# Altium PCB CHAHARDOLI-7 ADAD METAL.PcbDoc (part 6 of 10)
Units mm, origin at the board's own origin, x right, y up, seen from the top; angles counter-clockwise.
Board outline 151 x 86.38 mm, 2 copper layers (Top Layer, Bottom Layer); 1512 components, 81 nets, 3736 pads, 768 vias.
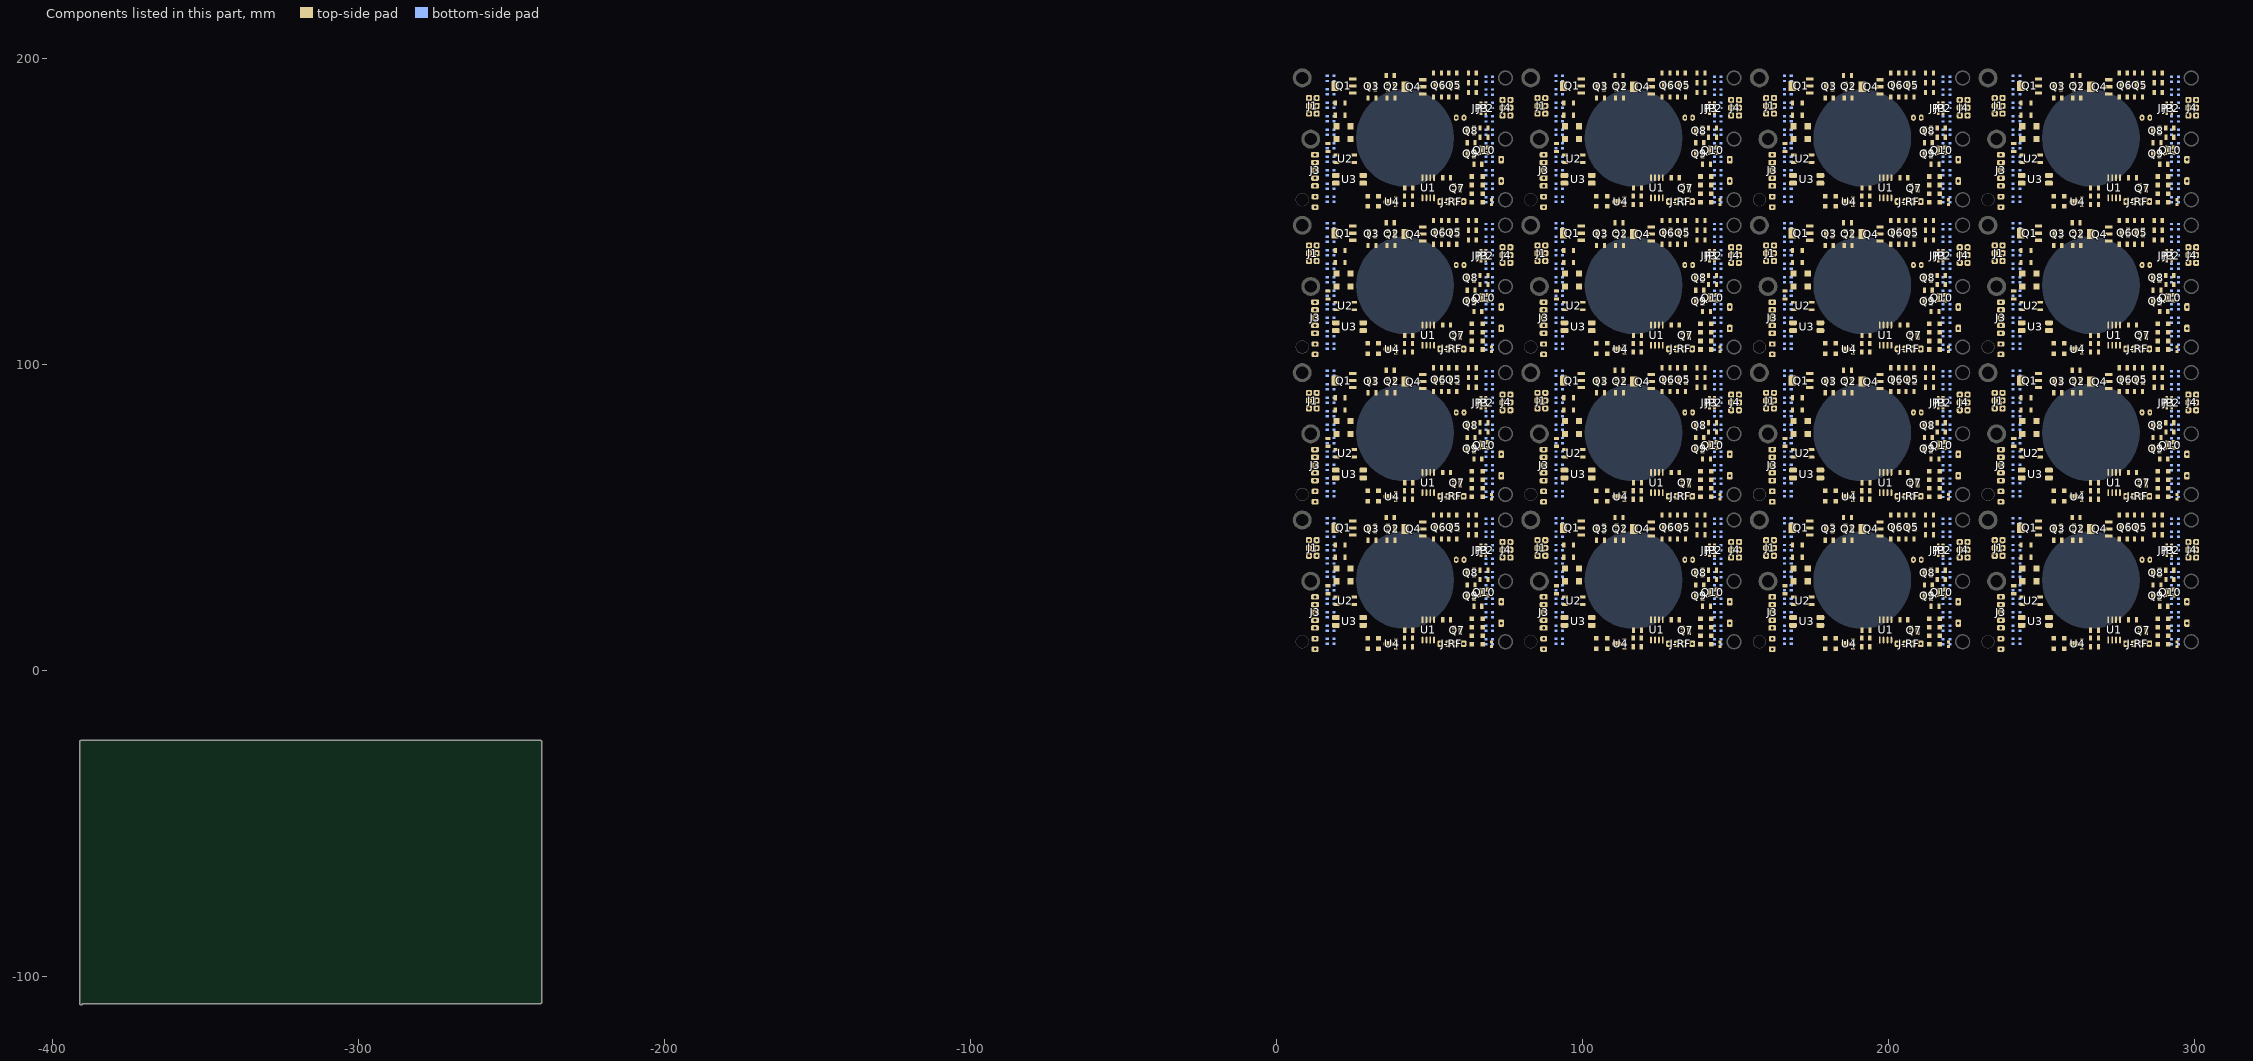
[diagram p6: the components of this part, seen from the top]

## Via types
v1: diameter 1.2, hole 0.6, Top Layer to Bottom Layer, 496 vias
v2: diameter 1, hole 0.6, Top Layer to Bottom Layer, 128 vias
v3: diameter 0.9, hole 0.6, Top Layer to Bottom Layer, 128 vias
v4: diameter 1.27, hole 0.6, Top Layer to Bottom Layer, 16 vias

## Nets (pads, with @x,y where several pads share a name; then routed paths per layer and width w, separated by ;. In a path a pad name is that pad's centre, name@x,y a point inside that pad or via, vN(x,y) a via of type N, cw(c..) or ccw(c..) an arc to the next point about the centre after c; other vN are vias at no path point) (continued)
copper on no net: (continued)
  Top Layer w0.5: 288.4,117.261 288.4,119.782 ; 288.4,165.406 288.4,167.928 ; 288.475,30.96 288.4,30.885 288.4,29.71 ; 288.475,79.105 288.4,79.03 288.4,77.855 ; 288.475,127.25 288.4,127.175 288.4,126 ; 288.475,175.395 288.4,175.32 288.4,174.145 ; 288.6,25.51 288.6,28.248 ; 288.6,73.655 288.6,76.393 ; 288.6,121.8 288.6,124.539 ; 288.6,169.945 288.6,172.684 ; 289.295,50.71 289.495,50.51 292.6,50.51 294.2,48.91 294.2,44.51 296.446,42.264 297.506,42.264 297.86,41.91 ; 289.295,98.855 289.495,98.655 292.6,98.655 294.2,97.055 294.2,92.655 296.446,90.409 297.506,90.409 297.86,90.055 ; 289.295,147 289.495,146.8 292.6,146.8 294.2,145.2 294.2,140.8 296.446,138.554 297.506,138.554 297.86,138.2 ; 289.295,195.145 289.495,194.945 292.6,194.945 294.2,193.345 294.2,188.945 296.446,186.699 297.506,186.699 297.86,186.345 ; 289.301,44.31 v1(290.6,44.31) ; 289.301,92.455 v1(290.6,92.455) ; 289.301,140.6 v1(290.6,140.6) ; 289.301,188.745 v1(290.6,188.745) ; 289.435,47.244 289.501,47.31 v1(290.6,47.31) ; 289.435,95.389 289.501,95.455 v1(290.6,95.455) ; 289.435,143.534 289.501,143.6 v1(290.6,143.6) ; 289.435,191.679 289.501,191.745 v1(290.6,191.745) ; 290.2,29.71 288.4,29.71 ; 290.2,77.855 288.4,77.855 ; 290.2,126 288.4,126 ; 290.2,174.145 288.4,174.145 ; 290.505,29.71 290.505,26.653 290.575,26.582 290.575,24.885 290.6,24.86 ; 290.505,77.855 290.505,74.798 290.575,74.727 290.575,73.03 290.6,73.005 ; 290.505,126 290.505,122.943 290.575,122.873 290.575,121.175 290.6,121.15 ; 290.505,174.145 290.505,171.088 290.575,171.018 290.575,169.32 290.6,169.295 ; 290.8,20.31 290.8,21.11 292.893,23.203 292.893,24.403 293,24.51 ; 290.8,68.455 290.8,69.255 292.893,71.348 292.893,72.548 293,72.655 ; 290.8,116.6 290.8,117.4 292.893,119.493 292.893,120.693 293,120.8 ; 290.8,164.745 290.8,165.545 292.893,167.638 292.893,168.838 293,168.945 ; 292.4,39.41 292.4,39.129 292.6,38.929 293.18,38.929 295.4,36.71 295.4,35.71 296.2,34.91 300.107,34.91 300.4,35.203 300.4,36.83 300.4,39.37 300.4,41.91 ; 292.4,87.555 292.4,87.275 292.6,87.075 293.18,87.075 295.4,84.855 295.4,83.855 296.2,83.055 300.107,83.055 300.4,83.348 300.4,84.975 300.4,87.515 300.4,90.055 ; 292.4,135.7 292.4,135.42 292.6,135.22 293.18,135.22 295.4,133 295.4,132 296.2,131.2 300.107,131.2 300.4,131.493 300.4,133.12 300.4,135.66 300.4,138.2 ; 292.4,183.845 292.4,183.565 292.6,183.365 293.18,183.365 295.4,181.145 295.4,180.145 296.2,179.345 300.107,179.345 300.4,179.638 300.4,181.265 300.4,183.805 300.4,186.345 ; 293.101,29.71 293.268,29.542 293.268,28.442 297.15,24.56 298.75,24.56 299.6,23.71 299.6,21.41 297.546,19.356 297.546,18.456 v1(297.4,18.31) ; 293.101,77.855 293.268,77.687 293.268,76.587 297.15,72.705 298.75,72.705 299.6,71.855 299.6,69.555 297.546,67.501 297.546,66.601 v1(297.4,66.455) ; 293.101,126 293.268,125.832 293.268,124.732 297.15,120.85 298.75,120.85 299.6,120 299.6,117.7 297.546,115.646 297.546,114.746 v1(297.4,114.6) ; 293.101,174.145 293.268,173.978 293.268,172.877 297.15,168.995 298.75,168.995 299.6,168.145 299.6,165.845 297.546,163.791 297.546,162.891 v1(297.4,162.745) ; 294.2,9.31 294.2,14.11 295.5,15.41 297.4,15.41 ; 294.2,57.455 294.2,62.255 295.5,63.555 297.4,63.555 ; 294.2,105.6 294.2,110.4 295.5,111.7 297.4,111.7 ; 294.2,153.745 294.2,158.545 295.5,159.845 297.4,159.845
  Top Layer w0.6: 22.336,37.156 22.336,37.235 22.561,37.46 23.049,37.46 23.936,38.346 v4(23.936,38.91) ; 22.336,85.302 22.336,85.38 22.561,85.605 23.049,85.605 23.936,86.491 v4(23.936,87.055) ; 22.336,133.447 22.336,133.525 22.561,133.75 23.049,133.75 23.936,134.636 v4(23.936,135.2) ; 22.336,181.592 22.336,181.67 22.561,181.895 23.049,181.895 23.936,182.782 v4(23.936,183.345) ; v1(32.536,49.71) 32.578,49.71 34.536,47.752 34.536,46.71 35.536,45.71 36.061,45.71 36.248,45.522 ; v1(32.536,97.855) 32.578,97.855 34.536,95.897 34.536,94.855 35.536,93.855 36.061,93.855 36.248,93.667 ; v1(32.536,146) 32.578,146 34.536,144.042 34.536,143 35.536,142 36.061,142 36.248,141.812 ; v1(32.536,194.145) 32.578,194.145 34.536,192.187 34.536,191.145 35.536,190.145 36.061,190.145 36.248,189.958 ; 33.286,7.11 33.686,6.71 39.136,6.71 39.936,5.91 41.736,5.91 ; 33.286,55.255 33.686,54.855 39.136,54.855 39.936,54.055 41.736,54.055 ; 33.286,103.4 33.686,103 39.136,103 39.936,102.2 41.736,102.2 ; 33.286,151.545 33.686,151.145 39.136,151.145 39.936,150.345 41.736,150.345 ; 41.736,10.51 41.736,7.71 41.736,5.91 ; 41.736,58.655 41.736,55.855 41.736,54.055 ; 41.736,106.8 41.736,104 41.736,102.2 ; 41.736,154.945 41.736,152.145 41.736,150.345 ; v1@46.336,17.11 46.396,17.049 47.631,17.049 47.631,16.71 ; v1@46.336,65.255 46.396,65.194 47.631,65.194 47.631,64.855 ; v1@46.336,113.4 46.396,113.339 47.631,113.339 47.631,113 ; v1@46.336,161.545 46.396,161.484 47.631,161.484 47.631,161.145 ; 51.441,9.91 51.441,9.11 51.536,9.015 51.536,8.51 51.536,5.91 ; 51.441,58.055 51.441,57.255 51.536,57.16 51.536,56.655 51.536,54.055 ; 51.441,106.2 51.441,105.4 51.536,105.305 51.536,104.8 51.536,102.2 ; 51.441,154.345 51.441,153.545 51.536,153.45 51.536,152.945 51.536,150.345 ; 61.303,36.239 61.633,35.91 68.736,35.91 70.536,34.11 70.536,28.51 73.536,25.51 75.536,25.51 76.936,24.11 76.936,20.361 76.136,19.561 v1(76.136,19.51) 76.036,19.41 76.036,15.21 78.136,13.11 78.136,7.11 76.936,5.91 70.136,5.91 ; 61.303,84.384 61.633,84.055 68.736,84.055 70.536,82.255 70.536,76.655 73.536,73.655 75.536,73.655 76.936,72.255 76.936,68.506 76.136,67.706 v1(76.136,67.655) 76.036,67.555 76.036,63.355 78.136,61.255 78.136,55.255 76.936,54.055 70.136,54.055 ; 61.303,132.53 61.633,132.2 68.736,132.2 70.536,130.4 70.536,124.8 73.536,121.8 75.536,121.8 76.936,120.4 76.936,116.651 76.136,115.851 v1(76.136,115.8) 76.036,115.7 76.036,111.5 78.136,109.4 78.136,103.4 76.936,102.2 70.136,102.2 ; 61.303,180.675 61.633,180.345 68.736,180.345 70.536,178.545 70.536,172.945 73.536,169.945 75.536,169.945 76.936,168.545 76.936,164.797 76.136,163.997 v1(76.136,163.945) 76.036,163.845 76.036,159.645 78.136,157.545 78.136,151.545 76.936,150.345 70.136,150.345 ; 70.136,7.81 70.136,5.91 ; 70.136,55.955 70.136,54.055 ; 70.136,104.1 70.136,102.2 ; 70.136,152.245 70.136,150.345 ; 97.024,37.156 97.024,37.235 97.249,37.46 97.737,37.46 98.624,38.346 v4(98.624,38.91) ; 97.024,85.302 97.024,85.38 97.249,85.605 97.737,85.605 98.624,86.491 v4(98.624,87.055) ; 97.024,133.447 97.024,133.525 97.249,133.75 97.737,133.75 98.624,134.636 v4(98.624,135.2) ; 97.024,181.592 97.024,181.67 97.249,181.895 97.737,181.895 98.624,182.782 v4(98.624,183.345) ; v1(107.224,49.71) 107.266,49.71 109.224,47.752 109.224,46.71 110.224,45.71 110.749,45.71 110.936,45.522 ; v1(107.224,97.855) 107.266,97.855 109.224,95.897 109.224,94.855 110.224,93.855 110.749,93.855 110.936,93.667 ; v1(107.224,146) 107.266,146 109.224,144.042 109.224,143 110.224,142 110.749,142 110.936,141.813 ; v1(107.224,194.145) 107.266,194.145 109.224,192.187 109.224,191.145 110.224,190.145 110.749,190.145 110.936,189.958 ; 107.974,7.11 108.374,6.71 113.824,6.71 114.624,5.91 116.424,5.91 ; 107.974,55.255 108.374,54.855 113.824,54.855 114.624,54.055 116.424,54.055 ; 107.974,103.4 108.374,103 113.824,103 114.624,102.2 116.424,102.2 ; 107.974,151.545 108.374,151.145 113.824,151.145 114.624,150.345 116.424,150.345 ; 116.424,10.51 116.424,7.71 116.424,5.91 ; 116.424,58.655 116.424,55.855 116.424,54.055 ; 116.424,106.8 116.424,104 116.424,102.2 ; 116.424,154.945 116.424,152.145 116.424,150.345 ; v1@121.024,17.11 121.084,17.049 122.319,17.049 122.319,16.71 ; v1@121.024,65.255 121.084,65.194 122.319,65.194 122.319,64.855 ; v1@121.024,113.4 121.084,113.339 122.319,113.339 122.319,113 ; v1@121.024,161.545 121.084,161.484 122.319,161.484 122.319,161.145 ; 126.129,9.91 126.129,9.11 126.224,9.015 126.224,8.51 126.224,5.91 ; 126.129,58.055 126.129,57.255 126.224,57.16 126.224,56.655 126.224,54.055 ; 126.129,106.2 126.129,105.4 126.224,105.305 126.224,104.8 126.224,102.2 ; 126.129,154.345 126.129,153.545 126.224,153.45 126.224,152.945 126.224,150.345 ; 135.991,36.239 136.321,35.91 143.424,35.91 145.224,34.11 145.224,28.51 148.224,25.51 150.224,25.51 151.624,24.11 151.624,20.361 150.824,19.561 v1(150.824,19.51) 150.724,19.41 150.724,15.21 152.824,13.11 152.824,7.11 151.624,5.91 144.824,5.91 ; 135.991,84.385 136.321,84.055 143.424,84.055 145.224,82.255 145.224,76.655 148.224,73.655 150.224,73.655 151.624,72.255 151.624,68.506 150.824,67.706 v1(150.824,67.655) 150.724,67.555 150.724,63.355 152.824,61.255 152.824,55.255 151.624,54.055 144.824,54.055 ; 135.991,132.53 136.321,132.2 143.424,132.2 145.224,130.4 145.224,124.8 148.224,121.8 150.224,121.8 151.624,120.4 151.624,116.651 150.824,115.851 v1(150.824,115.8) 150.724,115.7 150.724,111.5 152.824,109.4 152.824,103.4 151.624,102.2 144.824,102.2 ; 135.991,180.675 136.321,180.345 143.424,180.345 145.224,178.545 145.224,172.945 148.224,169.945 150.224,169.945 151.624,168.545 151.624,164.797 150.824,163.997 v1(150.824,163.945) 150.724,163.845 150.724,159.645 152.824,157.545 152.824,151.545 151.624,150.345 144.824,150.345 ; 144.824,7.81 144.824,5.91 ; 144.824,55.955 144.824,54.055 ; 144.824,104.1 144.824,102.2 ; 144.824,152.245 144.824,150.345 ; 171.712,37.156 171.712,37.235 171.937,37.46 172.425,37.46 173.312,38.346 v4(173.312,38.91) ; 171.712,85.302 171.712,85.38 171.937,85.605 172.425,85.605 173.312,86.491 v4(173.312,87.055) ; 171.712,133.447 171.712,133.525 171.937,133.75 172.425,133.75 173.312,134.636 v4(173.312,135.2) ; 171.712,181.592 171.712,181.67 171.937,181.895 172.425,181.895 173.312,182.782 v4(173.312,183.345) ; v1(181.912,49.71) 181.954,49.71 183.912,47.752 183.912,46.71 184.912,45.71 185.437,45.71 185.624,45.522 ; v1(181.912,97.855) 181.954,97.855 183.912,95.897 183.912,94.855 184.912,93.855 185.437,93.855 185.624,93.667 ; v1(181.912,146) 181.954,146 183.912,144.042 183.912,143 184.912,142 185.437,142 185.624,141.813 ; v1(181.912,194.145) 181.954,194.145 183.912,192.187 183.912,191.145 184.912,190.145 185.437,190.145 185.624,189.958 ; 182.662,7.11 183.062,6.71 188.512,6.71 189.312,5.91 191.112,5.91 ; 182.662,55.255 183.062,54.855 188.512,54.855 189.312,54.055 191.112,54.055 ; 182.662,103.4 183.062,103 188.512,103 189.312,102.2 191.112,102.2 ; 182.662,151.545 183.062,151.145 188.512,151.145 189.312,150.345 191.112,150.345 ; 191.112,10.51 191.112,7.71 191.112,5.91 ; 191.112,58.655 191.112,55.855 191.112,54.055 ; 191.112,106.8 191.112,104 191.112,102.2 ; 191.112,154.945 191.112,152.145 191.112,150.345 ; v1@195.712,17.11 195.773,17.049 197.007,17.049 197.007,16.71 ; v1@195.712,65.255 195.773,65.194 197.007,65.194 197.007,64.855 ; v1@195.712,113.4 195.773,113.339 197.007,113.339 197.007,113 ; v1@195.712,161.545 195.773,161.484 197.007,161.484 197.007,161.145 ; 200.817,9.91 200.817,9.11 200.912,9.015 200.912,8.51 200.912,5.91 ; 200.817,58.055 200.817,57.255 200.912,57.16 200.912,56.655 200.912,54.055 ; 200.817,106.2 200.817,105.4 200.912,105.305 200.912,104.8 200.912,102.2 ; 200.817,154.345 200.817,153.545 200.912,153.45 200.912,152.945 200.912,150.345 ; 210.679,36.239 211.009,35.91 218.112,35.91 219.912,34.11 219.912,28.51 222.912,25.51 224.912,25.51 226.312,24.11 226.312,20.361 225.512,19.561 v1(225.512,19.51) 225.412,19.41 225.412,15.21 227.512,13.11 227.512,7.11 226.312,5.91 219.512,5.91 ; 210.679,84.385 211.009,84.055 218.112,84.055 219.912,82.255 219.912,76.655 222.912,73.655 224.912,73.655 226.312,72.255 226.312,68.506 225.512,67.706 v1(225.512,67.655) 225.412,67.555 225.412,63.355 227.512,61.255 227.512,55.255 226.312,54.055 219.512,54.055 ; 210.679,132.53 211.009,132.2 218.112,132.2 219.912,130.4 219.912,124.8 222.912,121.8 224.912,121.8 226.312,120.4 226.312,116.651 225.512,115.851 v1(225.512,115.8) 225.412,115.7 225.412,111.5 227.512,109.4 227.512,103.4 226.312,102.2 219.512,102.2 ; 210.679,180.675 211.009,180.345 218.112,180.345 219.912,178.545 219.912,172.945 222.912,169.945 224.912,169.945 226.312,168.545 226.312,164.797 225.512,163.997 v1(225.512,163.945) 225.412,163.845 225.412,159.645 227.512,157.545 227.512,151.545 226.312,150.345 219.512,150.345 ; 219.512,7.81 219.512,5.91 ; 219.512,55.955 219.512,54.055 ; 219.512,104.1 219.512,102.2 ; 219.512,152.245 219.512,150.345 ; 246.4,37.156 246.4,37.235 246.625,37.46 247.114,37.46 248,38.346 v4(248,38.91) ; 246.4,85.302 246.4,85.38 246.625,85.605 247.114,85.605 248,86.491 v4(248,87.055) ; 246.4,133.447 246.4,133.525 246.625,133.75 247.114,133.75 248,134.637 v4(248,135.2) ; 246.4,181.592 246.4,181.67 246.625,181.895 247.114,181.895 248,182.782 v4(248,183.345) ; v1(256.6,49.71) 256.642,49.71 258.6,47.752 258.6,46.71 259.6,45.71 260.125,45.71 260.312,45.522 ; v1(256.6,97.855) 256.642,97.855 258.6,95.897 258.6,94.855 259.6,93.855 260.125,93.855 260.312,93.667 ; v1(256.6,146) 256.642,146 258.6,144.042 258.6,143 259.6,142 260.125,142 260.312,141.813 ; v1(256.6,194.145) 256.642,194.145 258.6,192.187 258.6,191.145 259.6,190.145 260.125,190.145 260.312,189.958 ; 257.35,7.11 257.75,6.71 263.2,6.71 264,5.91 265.8,5.91 ; 257.35,55.255 257.75,54.855 263.2,54.855 264,54.055 265.8,54.055 ; 257.35,103.4 257.75,103 263.2,103 264,102.2 265.8,102.2 ; 257.35,151.545 257.75,151.145 263.2,151.145 264,150.345 265.8,150.345 ; 265.8,10.51 265.8,7.71 265.8,5.91 ; 265.8,58.655 265.8,55.855 265.8,54.055 ; 265.8,106.8 265.8,104 265.8,102.2 ; 265.8,154.945 265.8,152.145 265.8,150.345 ; v1@270.4,17.11 270.461,17.049 271.695,17.049 271.695,16.71 ; v1@270.4,65.255 270.461,65.194 271.695,65.194 271.695,64.855 ; v1@270.4,113.4 270.461,113.339 271.695,113.339 271.695,113 ; v1@270.4,161.545 270.461,161.485 271.695,161.485 271.695,161.145 ; 275.505,9.91 275.505,9.11 275.6,9.015 275.6,8.51 275.6,5.91 ; 275.505,58.055 275.505,57.255 275.6,57.16 275.6,56.655 275.6,54.055 ; 275.505,106.2 275.505,105.4 275.6,105.305 275.6,104.8 275.6,102.2 ; 275.505,154.345 275.505,153.545 275.6,153.45 275.6,152.945 275.6,150.345 ; 285.367,36.239 285.697,35.91 292.8,35.91 294.6,34.11 294.6,28.51 297.6,25.51 299.6,25.51 301,24.11 301,20.361 300.2,19.561 v1(300.2,19.51) 300.1,19.41 300.1,15.21 302.2,13.11 302.2,7.11 301,5.91 294.2,5.91 ; 285.367,84.385 285.697,84.055 292.8,84.055 294.6,82.255 294.6,76.655 297.6,73.655 299.6,73.655 301,72.255 301,68.506 300.2,67.706 v1(300.2,67.655) 300.1,67.555 300.1,63.355 302.2,61.255 302.2,55.255 301,54.055 294.2,54.055 ; 285.367,132.53 285.697,132.2 292.8,132.2 294.6,130.4 294.6,124.8 297.6,121.8 299.6,121.8 301,120.4 301,116.651 300.2,115.852 v1(300.2,115.8) 300.1,115.7 300.1,111.5 302.2,109.4 302.2,103.4 301,102.2 294.2,102.2 ; 285.367,180.675 285.697,180.345 292.8,180.345 294.6,178.545 294.6,172.945 297.6,169.945 299.6,169.945 301,168.545 301,164.797 300.2,163.997 v1(300.2,163.945) 300.1,163.845 300.1,159.645 302.2,157.545 302.2,151.545 301,150.345 294.2,150.345 ; 294.2,7.81 294.2,5.91 ; 294.2,55.955 294.2,54.055 ; 294.2,104.1 294.2,102.2 ; 294.2,152.245 294.2,150.345 ; 41.736,5.91 51.536,5.91 ; 41.736,54.055 51.536,54.055 ; 41.736,102.2 51.536,102.2 ; 41.736,150.345 51.536,150.345 ; 51.536,5.91 70.136,5.91 ; 51.536,54.055 70.136,54.055 ; 51.536,102.2 70.136,102.2 ; 51.536,150.345 70.136,150.345 ; 116.424,5.91 126.224,5.91 ; 116.424,54.055 126.224,54.055 ; 116.424,102.2 126.224,102.2 ; 116.424,150.345 126.224,150.345 ; 126.224,5.91 144.824,5.91 ; 126.224,54.055 144.824,54.055 ; 126.224,102.2 144.824,102.2 ; 126.224,150.345 144.824,150.345 ; 191.112,5.91 200.912,5.91 ; 191.112,54.055 200.912,54.055 ; 191.112,102.2 200.912,102.2 ; 191.112,150.345 200.912,150.345 ; 200.912,5.91 219.512,5.91 ; 200.912,54.055 219.512,54.055 ; 200.912,102.2 219.512,102.2 ; 200.912,150.345 219.512,150.345 ; 265.8,5.91 275.6,5.91 ; 265.8,54.055 275.6,54.055 ; 265.8,102.2 275.6,102.2 ; 265.8,150.345 275.6,150.345 ; 275.6,5.91 294.2,5.91 ; 275.6,54.055 294.2,54.055 ; 275.6,102.2 294.2,102.2 ; 275.6,150.345 294.2,150.345
  Top Layer w0.7: 25.336,21.51 25.241,21.51 25.136,21.405 25.136,15.91 25.899,15.147 27.537,15.147 27.574,15.11 ; 25.336,23.96 25.836,23.96 26.086,23.71 26.136,23.71 27.536,22.31 27.536,17.72 27.606,17.65 ; 25.336,69.655 25.241,69.655 25.136,69.55 25.136,64.055 25.899,63.292 27.537,63.292 27.574,63.255 ; 25.336,72.105 25.836,72.105 26.086,71.855 26.136,71.855 27.536,70.455 27.536,65.866 27.606,65.795 ; 25.336,117.8 25.241,117.8 25.136,117.695 25.136,112.2 25.899,111.437 27.537,111.437 27.574,111.4 ; 25.336,120.25 25.836,120.25 26.086,120 26.136,120 27.536,118.6 27.536,114.011 27.606,113.94 ; 25.336,165.945 25.241,165.945 25.136,165.84 25.136,160.345 25.899,159.582 27.537,159.582 27.574,159.545 ; 25.336,168.395 25.836,168.395 26.086,168.145 26.136,168.145 27.536,166.745 27.536,162.156 27.606,162.085 ; 38.431,49.51 v1(40.936,49.51) ; 38.431,97.655 v1(40.936,97.655) ; 38.431,145.8 v1(40.936,145.8) ; 38.431,193.945 v1(40.936,193.945) ; 100.024,21.51 99.929,21.51 99.824,21.405 99.824,15.91 100.587,15.147 102.225,15.147 102.262,15.11 ; 100.024,23.96 100.524,23.96 100.774,23.71 100.824,23.71 102.224,22.31 102.224,17.72 102.295,17.65 ; 100.024,69.655 99.929,69.655 99.824,69.55 99.824,64.055 100.587,63.292 102.225,63.292 102.262,63.255 ; 100.024,72.105 100.524,72.105 100.774,71.855 100.824,71.855 102.224,70.455 102.224,65.866 102.295,65.795 ; 100.024,117.8 99.929,117.8 99.824,117.695 99.824,112.2 100.587,111.437 102.225,111.437 102.262,111.4 ; 100.024,120.25 100.524,120.25 100.774,120 100.824,120 102.224,118.6 102.224,114.011 102.295,113.94 ; 100.024,165.945 99.929,165.945 99.824,165.84 99.824,160.345 100.587,159.582 102.225,159.582 102.262,159.545 ; 100.024,168.395 100.524,168.395 100.774,168.145 100.824,168.145 102.224,166.745 102.224,162.156 102.295,162.085 ; 113.119,49.51 v1(115.624,49.51) ; 113.119,97.655 v1(115.624,97.655) ; 113.119,145.8 v1(115.624,145.8) ; 113.119,193.945 v1(115.624,193.945) ; 174.712,21.51 174.617,21.51 174.512,21.405 174.512,15.91 175.275,15.147 176.913,15.147 176.95,15.11 ; 174.712,23.96 175.212,23.96 175.462,23.71 175.512,23.71 176.912,22.31 176.912,17.721 176.983,17.65 ; 174.712,69.655 174.617,69.655 174.512,69.55 174.512,64.055 175.275,63.292 176.913,63.292 176.95,63.255 ; 174.712,72.105 175.212,72.105 175.462,71.855 175.512,71.855 176.912,70.455 176.912,65.866 176.983,65.795 ; 174.712,117.8 174.617,117.8 174.512,117.695 174.512,112.2 175.275,111.437 176.913,111.437 176.95,111.4 ; 174.712,120.25 175.212,120.25 175.462,120 175.512,120 176.912,118.6 176.912,114.011 176.983,113.94 ; 174.712,165.945 174.617,165.945 174.512,165.84 174.512,160.345 175.275,159.582 176.913,159.582 176.95,159.545 ; 174.712,168.395 175.212,168.395 175.462,168.145 175.512,168.145 176.912,166.745 176.912,162.156 176.983,162.085 ; 187.807,49.51 v1(190.312,49.51) ; 187.807,97.655 v1(190.312,97.655) ; 187.807,145.8 v1(190.312,145.8) ; 187.807,193.945 v1(190.312,193.945) ; 249.4,21.51 249.305,21.51 249.2,21.405 249.2,15.91 249.963,15.147 251.601,15.147 251.638,15.11 ; 249.4,23.96 249.9,23.96 250.15,23.71 250.2,23.71 251.6,22.31 251.6,17.721 251.671,17.65 ; 249.4,69.655 249.305,69.655 249.2,69.55 249.2,64.055 249.963,63.292 251.601,63.292 251.638,63.255 ; 249.4,72.105 249.9,72.105 250.15,71.855 250.2,71.855 251.6,70.455 251.6,65.866 251.671,65.795 ; 249.4,117.8 249.305,117.8 249.2,117.695 249.2,112.2 249.963,111.437 251.601,111.437 251.638,111.4 ; 249.4,120.25 249.9,120.25 250.15,120 250.2,120 251.6,118.6 251.6,114.011 251.671,113.94 ; 249.4,165.945 249.305,165.945 249.2,165.84 249.2,160.345 249.963,159.582 251.601,159.582 251.638,159.545 ; 249.4,168.395 249.9,168.395 250.15,168.145 250.2,168.145 251.6,166.745 251.6,162.156 251.671,162.085 ; 262.495,49.51 v1(265,49.51) ; 262.495,97.655 v1(265,97.655) ; 262.495,145.8 v1(265,145.8) ; 262.495,193.945 v1(265,193.945)
  Top Layer w0.8: 9.477,37.968 8.336,39.11 8.336,44.241 8.804,44.71 10.439,44.71 12.736,47.007 12.736,51.641 13.204,52.11 42.243,52.11 42.936,51.417 42.936,47.66 41.936,46.66 41.936,46.21 ; 9.477,86.113 8.336,87.255 8.336,92.386 8.804,92.855 10.439,92.855 12.736,95.152 12.736,99.786 13.204,100.255 42.243,100.255 42.936,99.562 42.936,95.805 41.936,94.805 41.936,94.355 ; 9.477,134.258 8.336,135.4 8.336,140.531 8.804,141 10.439,141 12.736,143.297 12.736,147.931 13.204,148.4 42.243,148.4 42.936,147.707 42.936,143.95 41.936,142.95 41.936,142.5 ; 9.477,182.403 8.336,183.545 8.336,188.676 8.804,189.145 10.439,189.145 12.736,191.442 12.736,196.076 13.204,196.545 42.243,196.545 42.936,195.852 42.936,192.095 41.936,191.095 41.936,190.645 ; 9.943,37.968 10.536,37.376 ; 9.943,86.113 10.536,85.521 ; 9.943,134.258 10.536,133.666 ; 9.943,182.403 10.536,181.811 ; 10.536,42.25 11.074,42.788 11.074,43.448 12.936,45.31 18.236,45.31 19.036,46.11 19.036,46.51 ; 10.536,90.395 11.074,90.933 11.074,91.593 12.936,93.455 18.236,93.455 19.036,94.255 19.036,94.655 ; 10.536,138.54 11.074,139.078 11.074,139.738 12.936,141.6 18.236,141.6 19.036,142.4 19.036,142.8 ; 10.536,186.685 11.074,187.223 11.074,187.883 12.936,189.745 18.236,189.745 19.036,190.545 19.036,190.945 ; 12.536,6.624 12.02,6.624 11.793,6.397 11.793,6.378 11.324,5.91 6.536,5.91 5.336,7.11 5.336,33.641 6.604,34.91 11.936,34.91 12.864,35.838 12.864,37.218 13.076,37.43 ; 12.536,6.91 12.766,6.91 13.279,6.397 13.279,6.378 13.782,5.875 25.901,5.875 29.786,9.76 29.786,10.51 ; 12.536,54.769 12.02,54.769 11.793,54.542 11.793,54.524 11.324,54.055 6.536,54.055 5.336,55.255 5.336,81.786 6.604,83.055 11.936,83.055 12.864,83.983 12.864,85.363 13.076,85.575 ; 12.536,55.055 12.766,55.055 13.279,54.542 13.279,54.524 13.782,54.02 25.901,54.02 29.786,57.905 29.786,58.655 ; 12.536,102.914 12.02,102.914 11.793,102.687 11.793,102.669 11.324,102.2 6.536,102.2 5.336,103.4 5.336,129.931 6.604,131.2 11.936,131.2 12.864,132.128 12.864,133.508 13.076,133.72 ; 12.536,103.2 12.766,103.2 13.279,102.687 13.279,102.669 13.782,102.165 25.901,102.165 29.786,106.05 29.786,106.8 ; 12.536,151.059 12.02,151.059 11.793,150.832 11.793,150.814 11.324,150.345 6.536,150.345 5.336,151.545 5.336,178.076 6.604,179.345 11.936,179.345 12.864,180.273 12.864,181.653 13.076,181.865 ; 12.536,151.345 12.766,151.345 13.279,150.832 13.279,150.814 13.782,150.31 25.901,150.31 29.786,154.195 29.786,154.945 ; 19.056,37.43 19.136,37.51 19.136,37.91 20.736,39.51 20.736,43.11 22.136,44.51 22.136,48.81 24.836,48.81 ; 19.056,85.575 19.136,85.655 19.136,86.055 20.736,87.655 20.736,91.255 22.136,92.655 22.136,96.955 24.836,96.955 ; 19.056,133.72 19.136,133.8 19.136,134.2 20.736,135.8 20.736,139.4 22.136,140.8 22.136,145.1 24.836,145.1 ; 19.056,181.865 19.136,181.945 19.136,182.345 20.736,183.945 20.736,187.545 22.136,188.945 22.136,193.245 24.836,193.245 ; v1(20.536,49.86) 20.612,49.783 21.062,49.783 22.036,48.81 ; v1(20.536,98.005) 20.612,97.928 21.062,97.928 22.036,96.955 ; v1(20.536,146.15) 20.612,146.073 21.062,146.073 22.036,145.1 ; v1(20.536,194.295) 20.612,194.219 21.062,194.219 22.036,193.245 ; 84.166,37.968 83.024,39.11 83.024,44.241 83.492,44.71 85.127,44.71 87.424,47.007 87.424,51.641 87.892,52.11 116.931,52.11 117.624,51.417 117.624,47.66 116.624,46.66 116.624,46.21 ; 84.166,86.113 83.024,87.255 83.024,92.386 83.492,92.855 85.127,92.855 87.424,95.152 87.424,99.786 87.892,100.255 116.931,100.255 117.624,99.562 117.624,95.805 116.624,94.805 116.624,94.355 ; 84.166,134.258 83.024,135.4 83.024,140.531 83.492,141 85.127,141 87.424,143.297 87.424,147.931 87.892,148.4 116.931,148.4 117.624,147.707 117.624,143.95 116.624,142.95 116.624,142.5 ; 84.166,182.403 83.024,183.545 83.024,188.676 83.492,189.145 85.127,189.145 87.424,191.442 87.424,196.076 87.892,196.545 116.931,196.545 117.624,195.852 117.624,192.095 116.624,191.095 116.624,190.645 ; 84.631,37.968 85.224,37.376 ; 84.631,86.113 85.224,85.521 ; 84.631,134.258 85.224,133.666 ; 84.631,182.403 85.224,181.811 ; 85.224,42.25 85.762,42.788 85.762,43.448 87.624,45.31 92.924,45.31 93.724,46.11 93.724,46.51 ; 85.224,90.395 85.762,90.933 85.762,91.593 87.624,93.455 92.924,93.455 93.724,94.255 93.724,94.655 ; 85.224,138.54 85.762,139.078 85.762,139.738 87.624,141.6 92.924,141.6 93.724,142.4 93.724,142.8 ; 85.224,186.685 85.762,187.223 85.762,187.883 87.624,189.745 92.924,189.745 93.724,190.545 93.724,190.945 ; 87.224,6.624 86.708,6.624 86.481,6.397 86.481,6.378 86.012,5.91 81.224,5.91 80.024,7.11 80.024,33.641 81.292,34.91 86.624,34.91 87.552,35.838 87.552,37.218 87.764,37.43 ; 87.224,6.91 87.454,6.91 87.967,6.397 87.967,6.378 88.47,5.875 100.589,5.875 104.474,9.76 104.474,10.51 ; 87.224,54.769 86.708,54.769 86.481,54.542 86.481,54.524 86.012,54.055 81.224,54.055 80.024,55.255 80.024,81.786 81.292,83.055 86.624,83.055 87.552,83.983 87.552,85.363 87.764,85.575 ; 87.224,55.055 87.454,55.055 87.967,54.542 87.967,54.524 88.47,54.02 100.589,54.02 104.474,57.905 104.474,58.655 ; 87.224,102.914 86.708,102.914 86.481,102.687 86.481,102.669 86.012,102.2 81.224,102.2 80.024,103.4 80.024,129.931 81.292,131.2 86.624,131.2 87.552,132.128 87.552,133.508 87.764,133.72 ; 87.224,103.2 87.454,103.2 87.967,102.687 87.967,102.669 88.47,102.165 100.589,102.165 104.474,106.05 104.474,106.8 ; 87.224,151.06 86.708,151.06 86.481,150.832 86.481,150.814 86.012,150.345 81.224,150.345 80.024,151.545 80.024,178.076 81.292,179.345 86.624,179.345 87.552,180.273 87.552,181.653 87.764,181.865 ; 87.224,151.345 87.454,151.345 87.967,150.832 87.967,150.814 88.47,150.31 100.589,150.31 104.474,154.195 104.474,154.945 ; 93.744,37.43 93.824,37.51 93.824,37.91 95.424,39.51 95.424,43.11 96.824,44.51 96.824,48.81 99.524,48.81 ; 93.744,85.575 93.824,85.655 93.824,86.055 95.424,87.655 95.424,91.255 96.824,92.655 96.824,96.955 99.524,96.955 ; 93.744,133.72 93.824,133.8 93.824,134.2 95.424,135.8 95.424,139.4 96.824,140.8 96.824,145.1 99.524,145.1 ; 93.744,181.865 93.824,181.945 93.824,182.345 95.424,183.945 95.424,187.545 96.824,188.945 96.824,193.245 99.524,193.245 ; v1(95.224,49.86) 95.3,49.783 95.75,49.783 96.724,48.81 ; v1(95.224,98.005) 95.3,97.928 95.75,97.928 96.724,96.955 ; v1(95.224,146.15) 95.3,146.073 95.75,146.073 96.724,145.1 ; v1(95.224,194.295) 95.3,194.219 95.75,194.219 96.724,193.245 ; 158.854,37.968 157.712,39.11 157.712,44.241 158.181,44.71 159.815,44.71 162.112,47.007 162.112,51.641 162.581,52.11 191.619,52.11 192.312,51.417 192.312,47.66 191.312,46.66 191.312,46.21 ; 158.854,86.113 157.712,87.255 157.712,92.386 158.181,92.855 159.815,92.855 162.112,95.152 162.112,99.786 162.581,100.255 191.619,100.255 192.312,99.562 192.312,95.805 191.312,94.805 191.312,94.355 ; 158.854,134.258 157.712,135.4 157.712,140.531 158.181,141 159.815,141 162.112,143.297 162.112,147.931 162.581,148.4 191.619,148.4 192.312,147.707 192.312,143.95 191.312,142.95 191.312,142.5 ; 158.854,182.403 157.712,183.545 157.712,188.676 158.181,189.145 159.815,189.145 162.112,191.442 162.112,196.076 162.581,196.545 191.619,196.545 192.312,195.852 192.312,192.095 191.312,191.095 191.312,190.645 ; 159.32,37.968 159.912,37.376 ; 159.32,86.113 159.912,85.521 ; 159.32,134.258 159.912,133.666 ; 159.32,182.403 159.912,181.811 ; 159.912,42.25 160.45,42.788 160.45,43.448 162.312,45.31 167.612,45.31 168.412,46.11 168.412,46.51 ; 159.912,90.395 160.45,90.933 160.45,91.593 162.312,93.455 167.612,93.455 168.412,94.255 168.412,94.655 ; 159.912,138.54 160.45,139.078 160.45,139.738 162.312,141.6 167.612,141.6 168.412,142.4 168.412,142.8 ; 159.912,186.685 160.45,187.223 160.45,187.883 162.312,189.745 167.612,189.745 168.412,190.545 168.412,190.945 ; 161.912,6.624 161.396,6.624 161.169,6.397 161.169,6.378 160.7,5.91 155.912,5.91 154.712,7.11 154.712,33.641 155.981,34.91 161.312,34.91 162.24,35.838 162.24,37.218 162.452,37.43 ; 161.912,6.91 162.142,6.91 162.655,6.397 162.655,6.378 163.159,5.875 175.277,5.875 179.162,9.76 179.162,10.51 ; 161.912,54.769 161.396,54.769 161.169,54.542 161.169,54.524 160.7,54.055 155.912,54.055 154.712,55.255 154.712,81.786 155.981,83.055 161.312,83.055 162.24,83.983 162.24,85.363 162.452,85.575 ; 161.912,55.055 162.142,55.055 162.655,54.542 162.655,54.524 163.159,54.02 175.277,54.02 179.162,57.905 179.162,58.655 ; 161.912,102.914 161.396,102.914 161.169,102.687 161.169,102.669 160.7,102.2 155.912,102.2 154.712,103.4 154.712,129.931 155.981,131.2 161.312,131.2 162.24,132.128 162.24,133.508 162.452,133.72 ; 161.912,103.2 162.142,103.2 162.655,102.687 162.655,102.669 163.159,102.165 175.277,102.165 179.162,106.05 179.162,106.8 ; 161.912,151.06 161.396,151.06 161.169,150.832 161.169,150.814 160.7,150.345 155.912,150.345 154.712,151.545 154.712,178.076 155.981,179.345 161.312,179.345 162.24,180.273 162.24,181.653 162.452,181.865 ; 161.912,151.345 162.142,151.345 162.655,150.832 162.655,150.814 163.159,150.31 175.277,150.31 179.162,154.195 179.162,154.945 ; 168.432,37.43 168.512,37.51 168.512,37.91 170.112,39.51 170.112,43.11 171.512,44.51 171.512,48.81 174.212,48.81 ; 168.432,85.575 168.512,85.655 168.512,86.055 170.112,87.655 170.112,91.255 171.512,92.655 171.512,96.955 174.212,96.955 ; 168.432,133.72 168.512,133.8 168.512,134.2 170.112,135.8 170.112,139.4 171.512,140.8 171.512,145.1 174.212,145.1 ; 168.432,181.865 168.512,181.945 168.512,182.345 170.112,183.945 170.112,187.545 171.512,188.945 171.512,193.245 174.212,193.245 ; v1(169.912,49.86) 169.988,49.783 170.438,49.783 171.412,48.81 ; v1(169.912,98.005) 169.988,97.928 170.438,97.928 171.412,96.955 ; v1(169.912,146.15) 169.988,146.073 170.438,146.073 171.412,145.1 ; v1(169.912,194.295) 169.988,194.219 170.438,194.219 171.412,193.245 ; 233.542,37.968 232.4,39.11 232.4,44.241 232.869,44.71 234.503,44.71 236.8,47.007 236.8,51.641 237.269,52.11 266.307,52.11 267,51.417 267,47.66 266,46.66 266,46.21 ; 233.542,86.113 232.4,87.255 232.4,92.386 232.869,92.855 234.503,92.855 236.8,95.152 236.8,99.786 237.269,100.255 266.307,100.255 267,99.562 267,95.805 266,94.805 266,94.355 ; 233.542,134.258 232.4,135.4 232.4,140.531 232.869,141 234.503,141 236.8,143.297 236.8,147.931 237.269,148.4 266.307,148.4 267,147.707 267,143.95 266,142.95 266,142.5 ; 233.542,182.403 232.4,183.545 232.4,188.677 232.869,189.145 234.503,189.145 236.8,191.442 236.8,196.077 237.269,196.545 266.307,196.545 267,195.852 267,192.095 266,191.095 266,190.645 ; 234.008,37.968 234.6,37.376 ; 234.008,86.113 234.6,85.521 ; 234.008,134.258 234.6,133.666 ; 234.008,182.403 234.6,181.811 ; 234.6,42.25 235.138,42.788 235.138,43.448 237,45.31 242.3,45.31 243.1,46.11 243.1,46.51 ; 234.6,90.395 235.138,90.933 235.138,91.593 237,93.455 242.3,93.455 243.1,94.255 243.1,94.655 ; 234.6,138.54 235.138,139.078 235.138,139.738 237,141.6 242.3,141.6 243.1,142.4 243.1,142.8 ; 234.6,186.685 235.138,187.223 235.138,187.883 237,189.745 242.3,189.745 243.1,190.545 243.1,190.945 ; 236.6,6.624 236.084,6.624 235.857,6.397 235.857,6.378 235.388,5.91 230.6,5.91 229.4,7.11 229.4,33.641 230.669,34.91 236,34.91 236.928,35.838 236.928,37.218 237.14,37.43 ; 236.6,6.91 236.83,6.91 237.343,6.397 237.343,6.378 237.847,5.875 249.965,5.875 253.85,9.76 253.85,10.51 ; 236.6,54.769 236.084,54.769 235.857,54.542 235.857,54.524 235.388,54.055 230.6,54.055 229.4,55.255 229.4,81.786 230.669,83.055 236,83.055 236.928,83.983 236.928,85.363 237.14,85.575 ; 236.6,55.055 236.83,55.055 237.343,54.542 237.343,54.524 237.847,54.02 249.965,54.02 253.85,57.905 253.85,58.655 ; 236.6,102.914 236.084,102.914 235.857,102.687 235.857,102.669 235.388,102.2 230.6,102.2 229.4,103.4 229.4,129.931 230.669,131.2 236,131.2 236.928,132.128 236.928,133.508 237.14,133.72 ; 236.6,103.2 236.83,103.2 237.343,102.687 237.343,102.669 237.847,102.165 249.965,102.165 253.85,106.05 253.85,106.8 ; 236.6,151.06 236.084,151.06 235.857,150.832 235.857,150.814 235.388,150.345 230.6,150.345 229.4,151.545 229.4,178.077 230.669,179.345 236,179.345 236.928,180.273 236.928,181.653 237.14,181.865 ; 236.6,151.345 236.83,151.345 237.343,150.832 237.343,150.814 237.847,150.31 249.965,150.31 253.85,154.195 253.85,154.945 ; 243.12,37.43 243.2,37.51 243.2,37.91 244.8,39.51 244.8,43.11 246.2,44.51 246.2,48.81 248.9,48.81 ; 243.12,85.575 243.2,85.655 243.2,86.055 244.8,87.655 244.8,91.255 246.2,92.655 246.2,96.955 248.9,96.955 ; 243.12,133.72 243.2,133.8 243.2,134.2 244.8,135.8 244.8,139.4 246.2,140.8 246.2,145.1 248.9,145.1 ; 243.12,181.865 243.2,181.945 243.2,182.345 244.8,183.945 244.8,187.545 246.2,188.945 246.2,193.245 248.9,193.245 ; v1(244.6,49.86) 244.677,49.783 245.127,49.783 246.1,48.81 ; v1(244.6,98.005) 244.677,97.928 245.127,97.928 246.1,96.955 ; v1(244.6,146.15) 244.677,146.073 245.127,146.073 246.1,145.1 ; v1(244.6,194.295) 244.677,194.219 245.127,194.219 246.1,193.245
  Top Layer w1: v1(8.136,21.11) 8.271,21.11 8.471,21.31 12.396,21.31 12.536,21.45 ; v1(8.136,69.255) 8.271,69.255 8.471,69.455 12.396,69.455 12.536,69.595 ; v1(8.136,117.4) 8.271,117.4 8.471,117.6 12.396,117.6 12.536,117.74 ; v1(8.136,165.545) 8.271,165.545 8.471,165.745 12.396,165.745 12.536,165.885 ; 12.536,10.31 12.882,10.656 19.082,10.656 21.136,12.71 23.736,12.71 31.136,12.71 ; 12.536,13.83 16.15,13.83 16.736,14.416 16.736,19.124 17.321,19.71 21.95,19.71 22.536,20.296 22.536,24.51 23.936,25.91 23.936,29.424 ; 12.536,58.455 12.882,58.801 19.082,58.801 21.136,60.855 23.736,60.855 31.136,60.855 ; 12.536,61.975 16.15,61.975 16.736,62.561 16.736,67.269 17.321,67.855 21.95,67.855 22.536,68.441 22.536,72.655 23.936,74.055 23.936,77.569 ; 12.536,106.6 12.882,106.946 19.082,106.946 21.136,109 23.736,109 31.136,109 ; 12.536,110.12 16.15,110.12 16.736,110.706 16.736,115.414 17.321,116 21.95,116 22.536,116.586 22.536,120.8 23.936,122.2 23.936,125.714 ; 12.536,154.745 12.882,155.092 19.082,155.092 21.136,157.145 23.736,157.145 31.136,157.145 ; 12.536,158.265 16.15,158.265 16.736,158.851 16.736,163.559 17.321,164.145 21.95,164.145 22.536,164.731 22.536,168.945 23.936,170.345 23.936,173.859 ; 13.076,37.43 16.536,37.43 ; 13.076,85.575 16.536,85.575 ; 13.076,133.72 16.536,133.72 ; 13.076,181.865 16.536,181.865 ; 13.815,39.91 15.336,39.91 16.336,40.91 19.002,40.91 19.027,40.885 19.027,40.768 ; 13.815,88.055 15.336,88.055 16.336,89.055 19.002,89.055 19.027,89.03 19.027,88.913 ; 13.815,136.2 15.336,136.2 16.336,137.2 19.002,137.2 19.027,137.175 19.027,137.058 ; 13.815,184.345 15.336,184.345 16.336,185.345 19.002,185.345 19.027,185.32 19.027,185.203 ; 19.056,37.43 16.536,37.43 ; 19.056,85.575 16.536,85.575 ; 19.056,133.72 16.536,133.72 ; 19.056,181.865 16.536,181.865 ; 19.136,29.31 16.536,31.91 16.536,37.43 ; 19.136,77.455 16.536,80.055 16.536,85.575 ; 19.136,125.6 16.536,128.2 16.536,133.72 ; 19.136,173.745 16.536,176.345 16.536,181.865 ; v1(31.136,14.51) 31.136,12.71 ; v1(31.136,62.655) 31.136,60.855 ; v1(31.136,110.8) 31.136,109 ; v1(31.136,158.945) 31.136,157.145 ; 41.866,13.11 41.866,12.785 41.841,12.76 41.305,12.76 41.255,12.71 40.186,12.71 31.136,12.71 ; 41.866,61.255 41.866,60.93 41.841,60.905 41.305,60.905 41.255,60.855 40.186,60.855 31.136,60.855 ; 41.866,109.4 41.866,109.075 41.841,109.05 41.305,109.05 41.255,109 40.186,109 31.136,109 ; 41.866,157.545 41.866,157.22 41.841,157.195 41.305,157.195 41.255,157.145 40.186,157.145 31.136,157.145 ; 51.736,8.51 53.466,8.51 ; 51.736,56.655 53.466,56.655 ; 51.736,104.8 53.466,104.8 ; 51.736,152.945 53.466,152.945 ; 56.256,8.77 57.711,8.77 ; 56.256,56.915 57.711,56.915 ; 56.256,105.06 57.711,105.06 ; 56.256,153.205 57.711,153.205 ; v1(82.824,21.11) 82.959,21.11 83.159,21.31 87.084,21.31 87.224,21.45 ; v1(82.824,69.255) 82.959,69.255 83.159,69.455 87.084,69.455 87.224,69.595 ; v1(82.824,117.4) 82.959,117.4 83.159,117.6 87.084,117.6 87.224,117.74 ; v1(82.824,165.545) 82.959,165.545 83.159,165.745 87.084,165.745 87.224,165.885 ; 87.224,10.31 87.57,10.656 93.77,10.656 95.824,12.71 98.424,12.71 105.824,12.71 ; 87.224,13.83 90.838,13.83 91.424,14.416 91.424,19.124 92.01,19.71 96.638,19.71 97.224,20.296 97.224,24.51 98.624,25.91 98.624,29.424 ; 87.224,58.455 87.57,58.801 93.77,58.801 95.824,60.855 98.424,60.855 105.824,60.855 ; 87.224,61.975 90.838,61.975 91.424,62.561 91.424,67.269 92.01,67.855 96.638,67.855 97.224,68.441 97.224,72.655 98.624,74.055 98.624,77.569 ; 87.224,106.6 87.57,106.946 93.77,106.946 95.824,109 98.424,109 105.824,109 ; 87.224,110.12 90.838,110.12 91.424,110.706 91.424,115.414 92.01,116 96.638,116 97.224,116.586 97.224,120.8 98.624,122.2 98.624,125.714 ; 87.224,154.745 87.57,155.092 93.77,155.092 95.824,157.145 98.424,157.145 105.824,157.145 ; 87.224,158.265 90.838,158.265 91.424,158.851 91.424,163.559 92.01,164.145 96.638,164.145 97.224,164.731 97.224,168.945 98.624,170.345 98.624,173.859 ; 87.764,37.43 91.224,37.43 ; 87.764,85.575 91.224,85.575 ; 87.764,133.72 91.224,133.72 ; 87.764,181.865 91.224,181.865 ; 88.503,39.91 90.024,39.91 91.024,40.91 93.69,40.91 93.715,40.885 93.715,40.768 ; 88.503,88.055 90.024,88.055 91.024,89.055 93.69,89.055 93.715,89.03 93.715,88.913 ; 88.503,136.2 90.024,136.2 91.024,137.2 93.69,137.2 93.715,137.175 93.715,137.058 ; 88.503,184.345 90.024,184.345 91.024,185.345 93.69,185.345 93.715,185.32 93.715,185.203 ; 93.744,37.43 91.224,37.43 ; 93.744,85.575 91.224,85.575 ; 93.744,133.72 91.224,133.72 ; 93.744,181.865 91.224,181.865 ; 93.824,29.31 91.224,31.91 91.224,37.43 ; 93.824,77.455 91.224,80.055 91.224,85.575 ; 93.824,125.6 91.224,128.2 91.224,133.72 ; 93.824,173.745 91.224,176.345 91.224,181.865 ; v1(105.824,14.51) 105.824,12.71 ; v1(105.824,62.655) 105.824,60.855 ; v1(105.824,110.8) 105.824,109 ; v1(105.824,158.945) 105.824,157.145 ; 116.554,13.11 116.554,12.785 116.529,12.76 115.993,12.76 115.943,12.71 114.874,12.71 105.824,12.71 ; 116.554,61.255 116.554,60.93 116.529,60.905 115.993,60.905 115.943,60.855 114.874,60.855 105.824,60.855 ; 116.554,109.4 116.554,109.075 116.529,109.05 115.993,109.05 115.943,109 114.874,109 105.824,109 ; 116.554,157.545 116.554,157.22 116.529,157.195 115.993,157.195 115.943,157.145 114.874,157.145 105.824,157.145 ; 126.424,8.51 128.154,8.51 ; 126.424,56.655 128.154,56.655 ; 126.424,104.8 128.154,104.8 ; 126.424,152.945 128.154,152.945 ; 130.944,8.77 132.399,8.77 ; 130.944,56.915 132.399,56.915 ; 130.944,105.06 132.399,105.06 ; 130.944,153.205 132.399,153.205 ; v1(157.512,21.11) 157.647,21.11 157.847,21.31 161.772,21.31 161.912,21.45 ; v1(157.512,69.255) 157.647,69.255 157.847,69.455 161.772,69.455 161.912,69.595 ; v1(157.512,117.4) 157.647,117.4 157.847,117.6 161.772,117.6 161.912,117.74 ; v1(157.512,165.545) 157.647,165.545 157.847,165.745 161.772,165.745 161.912,165.885 ; 161.912,10.31 162.258,10.656 168.458,10.656 170.512,12.71 173.112,12.71 180.512,12.71 ; 161.912,13.83 165.526,13.83 166.112,14.416 166.112,19.124 166.698,19.71 171.326,19.71 171.912,20.296 171.912,24.51 173.312,25.91 173.312,29.424 ; 161.912,58.455 162.258,58.801 168.458,58.801 170.512,60.855 173.112,60.855 180.512,60.855 ; 161.912,61.975 165.526,61.975 166.112,62.561 166.112,67.269 166.698,67.855 171.326,67.855 171.912,68.441 171.912,72.655 173.312,74.055 173.312,77.569 ; 161.912,106.6 162.258,106.946 168.458,106.946 170.512,109 173.112,109 180.512,109 ; 161.912,110.12 165.526,110.12 166.112,110.706 166.112,115.414 166.698,116 171.326,116 171.912,116.586 171.912,120.8 173.312,122.2 173.312,125.714 ; 161.912,154.745 162.258,155.092 168.458,155.092 170.512,157.145 173.112,157.145 180.512,157.145 ; 161.912,158.265 165.526,158.265 166.112,158.851 166.112,163.559 166.698,164.145 171.326,164.145 171.912,164.731 171.912,168.945 173.312,170.345 173.312,173.859 ; 162.452,37.43 165.912,37.43 ; 162.452,85.575 165.912,85.575 ; 162.452,133.72 165.912,133.72 ; 162.452,181.865 165.912,181.865 ; 163.192,39.91 164.712,39.91 165.712,40.91 168.378,40.91 168.403,40.885 168.403,40.768 ; 163.192,88.055 164.712,88.055 165.712,89.055 168.378,89.055 168.403,89.03 168.403,88.913 ; 163.192,136.2 164.712,136.2 165.712,137.2 168.378,137.2 168.403,137.175 168.403,137.058 ; 163.192,184.345 164.712,184.345 165.712,185.345 168.378,185.345 168.403,185.32 168.403,185.203 ; 168.432,37.43 165.912,37.43 ; 168.432,85.575 165.912,85.575 ; 168.432,133.72 165.912,133.72 ; 168.432,181.865 165.912,181.865 ; 168.512,29.31 165.912,31.91 165.912,37.43 ; 168.512,77.455 165.912,80.055 165.912,85.575 ; 168.512,125.6 165.912,128.2 165.912,133.72 ; 168.512,173.745 165.912,176.345 165.912,181.865 ; v1(180.512,14.51) 180.512,12.71 ; v1(180.512,62.655) 180.512,60.855 ; v1(180.512,110.8) 180.512,109 ; v1(180.512,158.945) 180.512,157.145 ; 191.242,13.11 191.242,12.785 191.217,12.76 190.681,12.76 190.631,12.71 189.562,12.71 180.512,12.71 ; 191.242,61.255 191.242,60.93 191.217,60.905 190.681,60.905 190.631,60.855 189.562,60.855 180.512,60.855 ; 191.242,109.4 191.242,109.075 191.217,109.05 190.681,109.05 190.631,109 189.562,109 180.512,109 ; 191.242,157.545 191.242,157.22 191.217,157.195 190.681,157.195 190.631,157.145 189.562,157.145 180.512,157.145 ; 201.112,8.51 202.842,8.51 ; 201.112,56.655 202.842,56.655 ; 201.112,104.8 202.842,104.8 ; 201.112,152.945 202.842,152.945 ; 205.632,8.77 207.087,8.77 ; 205.632,56.915 207.087,56.915 ; 205.632,105.06 207.087,105.06 ; 205.632,153.205 207.087,153.205 ; v1(232.2,21.11) 232.335,21.11 232.535,21.31 236.46,21.31 236.6,21.45 ; v1(232.2,69.255) 232.335,69.255 232.535,69.455 236.46,69.455 236.6,69.595 ; v1(232.2,117.4) 232.335,117.4 232.535,117.6 236.46,117.6 236.6,117.74 ; v1(232.2,165.545) 232.335,165.545 232.535,165.745 236.46,165.745 236.6,165.885 ; 236.6,10.31 236.946,10.656 243.146,10.656 245.2,12.71 247.8,12.71 255.2,12.71 ; 236.6,13.83 240.214,13.83 240.8,14.416 240.8,19.124 241.386,19.71 246.014,19.71 246.6,20.296 246.6,24.51 248,25.91 248,29.424 ; 236.6,58.455 236.946,58.801 243.146,58.801 245.2,60.855 247.8,60.855 255.2,60.855 ; 236.6,61.975 240.214,61.975 240.8,62.561 240.8,67.269 241.386,67.855 246.014,67.855 246.6,68.441 246.6,72.655 248,74.055 248,77.569 ; 236.6,106.6 236.946,106.946 243.146,106.946 245.2,109 247.8,109 255.2,109 ; 236.6,110.12 240.214,110.12 240.8,110.706 240.8,115.414 241.386,116 246.014,116 246.6,116.586 246.6,120.8 248,122.2 248,125.714 ; 236.6,154.745 236.946,155.092 243.146,155.092 245.2,157.145 247.8,157.145 255.2,157.145 ; 236.6,158.265 240.214,158.265 240.8,158.851 240.8,163.559 241.386,164.145 246.014,164.145 246.6,164.731 246.6,168.945 248,170.345 248,173.859 ; 237.14,37.43 240.6,37.43 ; 237.14,85.575 240.6,85.575 ; 237.14,133.72 240.6,133.72 ; 237.14,181.865 240.6,181.865 ; 237.88,39.91 239.4,39.91 240.4,40.91 243.066,40.91 243.091,40.885 243.091,40.768 ; 237.88,88.055 239.4,88.055 240.4,89.055 243.066,89.055 243.091,89.03 243.091,88.913 ; 237.88,136.2 239.4,136.2 240.4,137.2 243.066,137.2 243.091,137.175 243.091,137.058 ; 237.88,184.345 239.4,184.345 240.4,185.345 243.066,185.345 243.091,185.32 243.091,185.203 ; 243.12,37.43 240.6,37.43 ; 243.12,85.575 240.6,85.575 ; 243.12,133.72 240.6,133.72 ; 243.12,181.865 240.6,181.865 ; 243.2,29.31 240.6,31.91 240.6,37.43 ; 243.2,77.455 240.6,80.055 240.6,85.575 ; 243.2,125.6 240.6,128.2 240.6,133.72 ; 243.2,173.745 240.6,176.345 240.6,181.865 ; v1(255.2,14.51) 255.2,12.71 ; v1(255.2,62.655) 255.2,60.855 ; v1(255.2,110.8) 255.2,109 ; v1(255.2,158.945) 255.2,157.145 ; 265.93,13.11 265.93,12.785 265.905,12.76 265.369,12.76 265.319,12.71 264.25,12.71 255.2,12.71 ; 265.93,61.255 265.93,60.93 265.905,60.905 265.369,60.905 265.319,60.855 264.25,60.855 255.2,60.855 ; 265.93,109.4 265.93,109.075 265.905,109.05 265.369,109.05 265.319,109 264.25,109 255.2,109 ; 265.93,157.545 265.93,157.22 265.905,157.195 265.369,157.195 265.319,157.145 264.25,157.145 255.2,157.145 ; 275.8,8.51 277.53,8.51 ; 275.8,56.655 277.53,56.655 ; 275.8,104.8 277.53,104.8 ; 275.8,152.945 277.53,152.945 ; 280.32,8.77 281.775,8.77 ; 280.32,56.915 281.775,56.915 ; 280.32,105.06 281.775,105.06 ; 280.32,153.205 281.775,153.205